# Altium PCB Graviton_11JAN15.PcbDoc (part 3 of 11)
Units mil, origin at the board's own origin, x right, y up, seen from the top; angles counter-clockwise.
Board outline 7874.02 x 7874.02 mil, 10 copper layers (Top Layer, Internal Plane 2, Signal Layer 2, Internal Plane 3, Signal Layer 4, Signal Layer 5, Internal Plane 4, Signal Layer 7, Internal Plane 1, Bottom Layer), stack 78.455 mil thick; 1275 components, 1501 nets, 7937 pads, 1712 vias.
Unrouted connection lines stored in the file: 273.
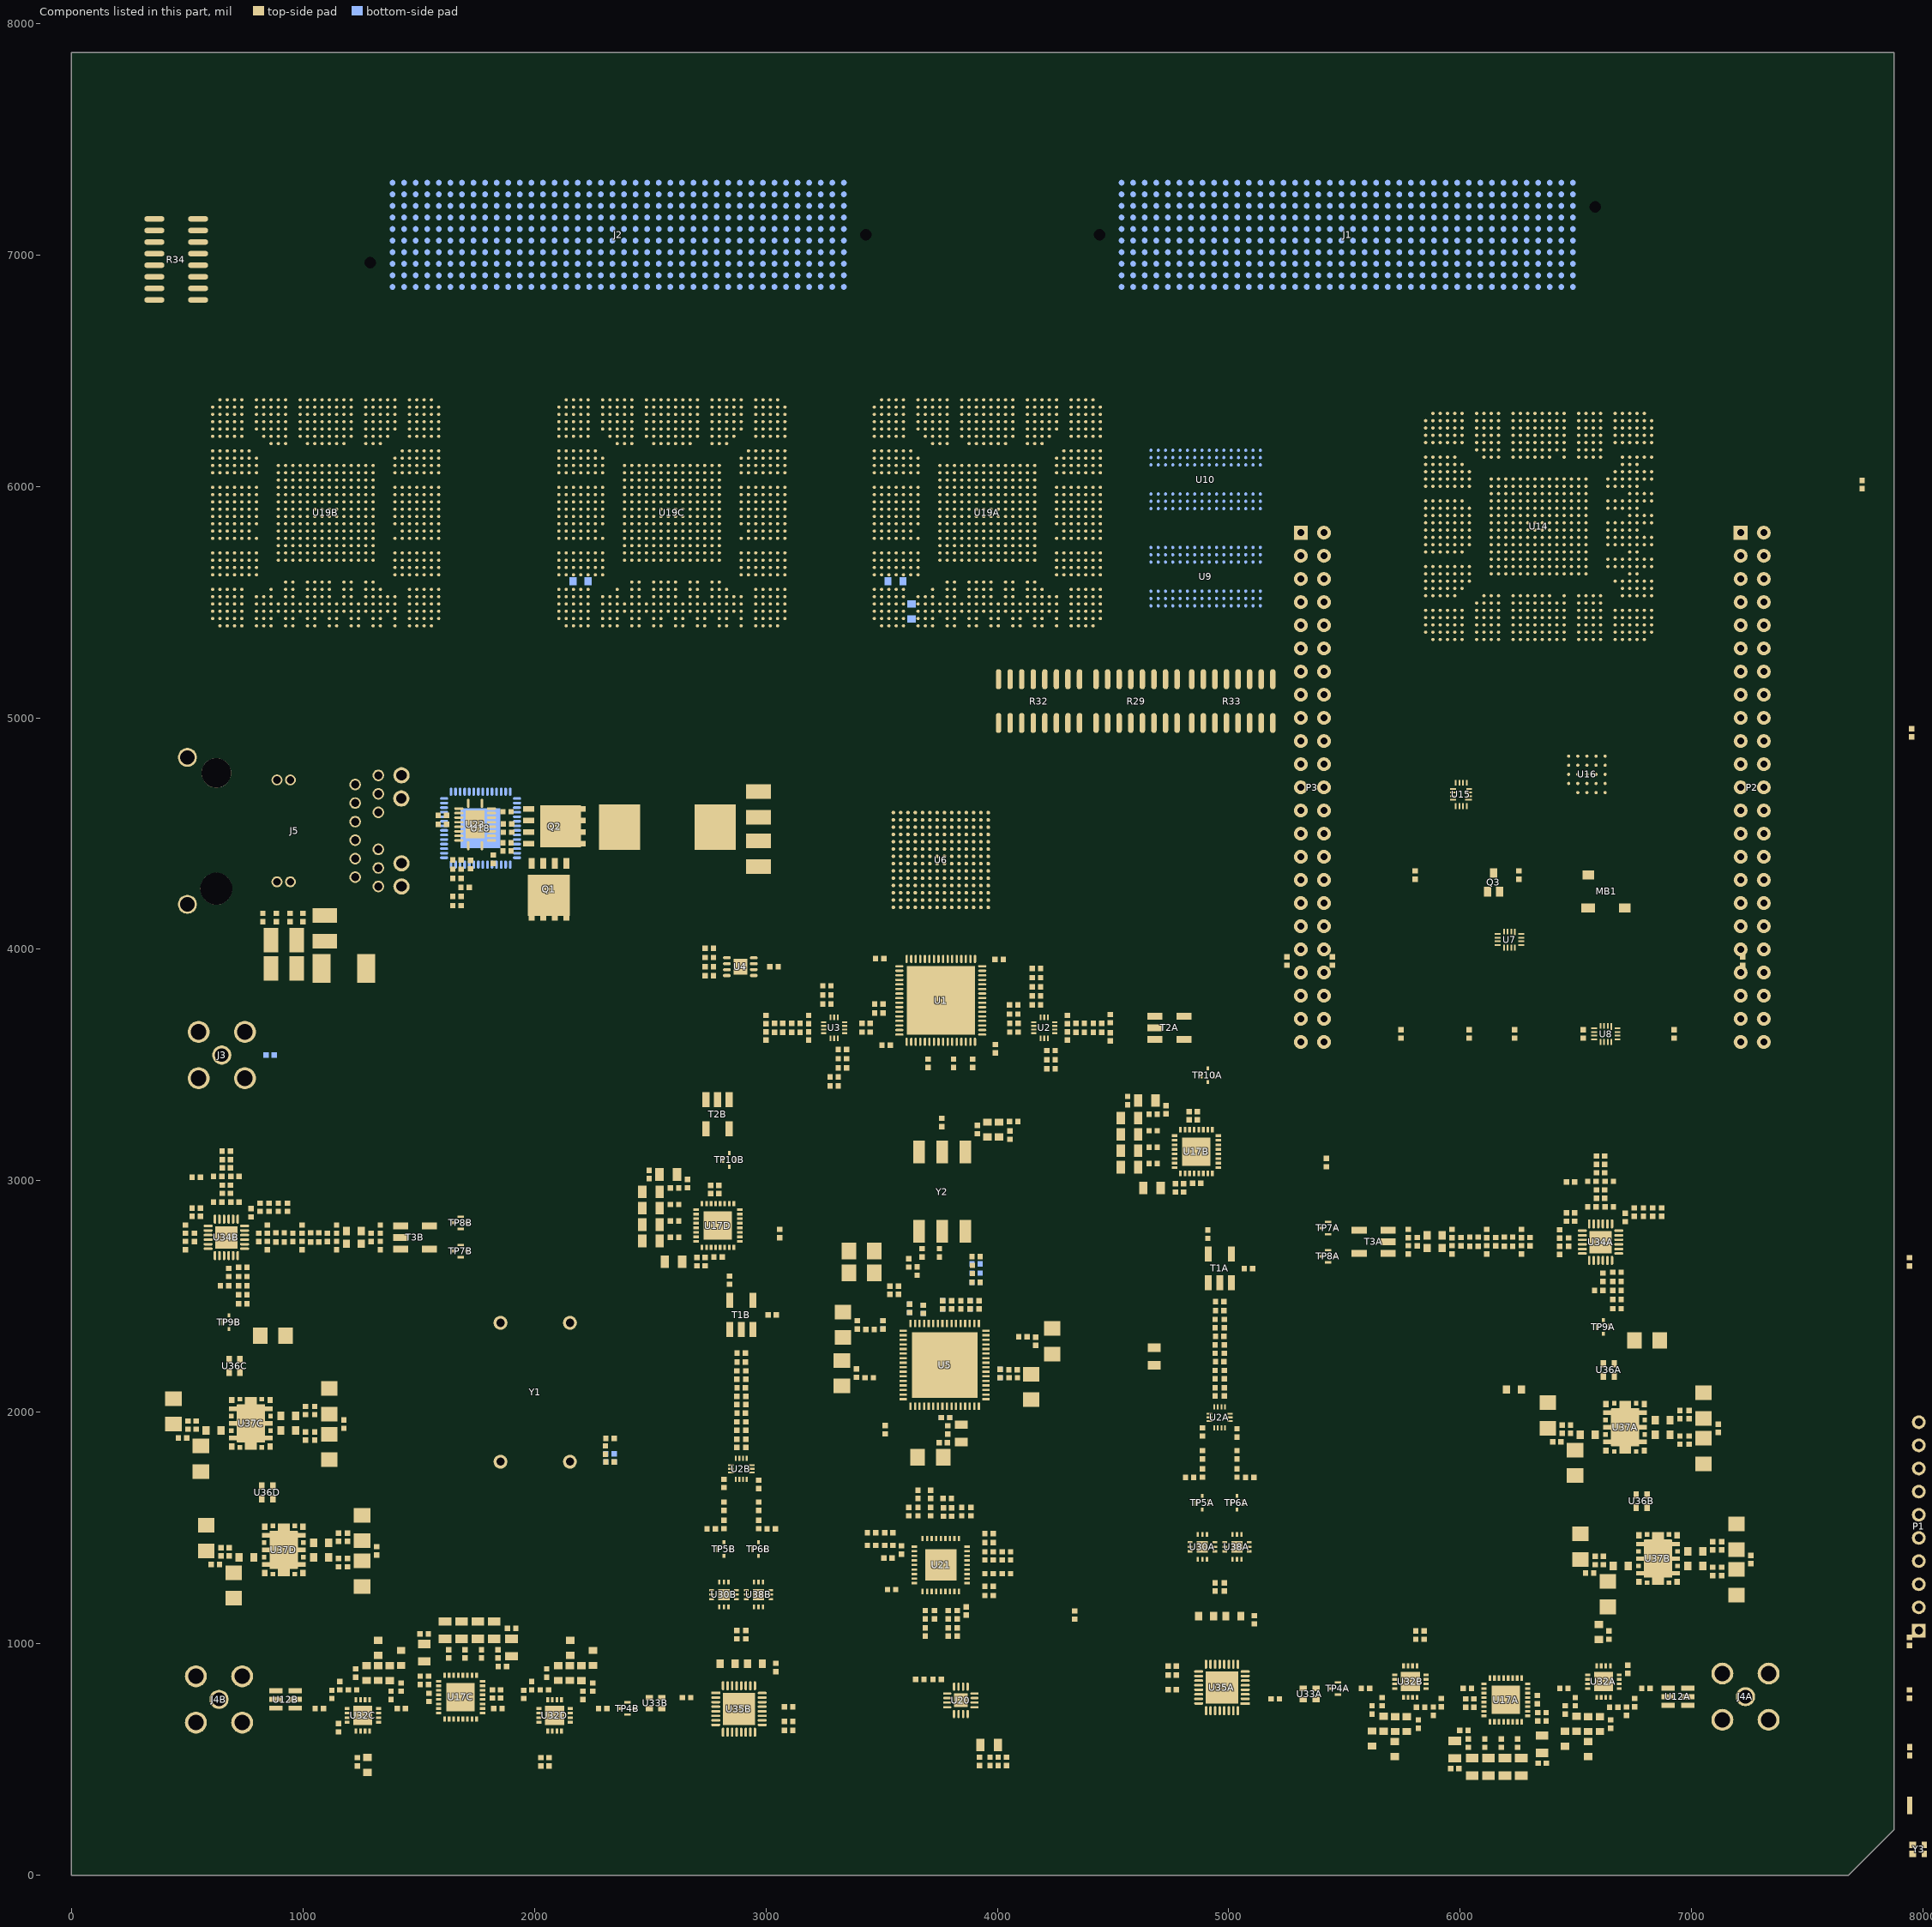
[diagram p10: the components of this part, seen from the top]

## Components (designator, comment, footprint, x,y, rotation, side; value= is the part's Value field where it differs from the comment) (continued)
C408A "CAP 0402" 0402 6677.17,2447.83 r0 top (schematic designator C408)
C408B "CAP 0402" 0402 740.16,2468.5 r0 top (schematic designator C408)
C409A "CAP 0402" 1206 6807.09,2310.04 r180 top (schematic designator C409)
C409B "CAP 0402" 1206 870.08,2330.71 r180 top (schematic designator C409)
C410A "CAP 0402" 0402 6301.18,2737.2 r90 top (schematic designator C410)
C410B "CAP 0402" 0402 809.06,2755.91 r270 top (schematic designator C410)
C411A "CAP 0402" 0402 5775.59,2701.77 r90 top (schematic designator C411)
C411B "CAP 0402" 0402 1334.65,2791.34 r270 top (schematic designator C411)
C412A "CAP 0402" 0402 5964.57,2701.77 r90 top (schematic designator C412)
C412B "CAP 0402" 0402 1145.67,2791.34 r270 top (schematic designator C412)
C413A "CAP 0402" 0402 6114.17,2701.77 r90 top (schematic designator C413)
C413B "CAP 0402" 0402 996.06,2791.34 r270 top (schematic designator C413)
C414A "CAP 0402" 0402 6712.6,2841.54 r270 top (schematic designator C414)
C414B "CAP 0402" 0402 775.59,2862.2 r270 top (schematic designator C414)
C415A "CAP 0402" 0402 6751.97,2865.16 r270 top (schematic designator C415)
C415B "CAP 0402" 0402 814.96,2885.83 r270 top (schematic designator C415)
C416A "CAP 0402" 0402 6791.34,2865.16 r270 top (schematic designator C416)
C416B "CAP 0402" 0402 854.33,2885.83 r270 top (schematic designator C416)
C417A "CAP 0402" 0402 6870.08,2865.16 r90 top (schematic designator C417)
C417B "CAP 0402" 0402 933.07,2885.83 r90 top (schematic designator C417)
C418A "CAP 0402" 0402 6624.02,3053.15 r90 top (schematic designator C418)
C418B "CAP 0402" 0402 687.01,3073.82 r90 top (schematic designator C418)
C419A "CAP 0402" 0402 6643.7,2998.03 r180 top (schematic designator C419)
C419B "CAP 0402" 0402 706.69,3018.7 r180 top (schematic designator C419)
C420A "CAP 0402" 0402 6643.7,2887.8 r180 top (schematic designator C420)
C420B "CAP 0402" 0402 706.69,2908.46 r180 top (schematic designator C420)
C421A "CAP 0402" 0402 6616.14,2583.66 r270 top (schematic designator C421)
C421B "CAP 0402" 0402 679.13,2604.33 r270 top (schematic designator C421)
C422A "CAP 0402" 0402 6598.43,2526.57 r0 top (schematic designator C422)
C422B "CAP 0402" 0402 661.42,2547.24 r0 top (schematic designator C422)
C423A "CAP 0402" 0402 6588.58,3053.15 r90 top (schematic designator C423)
C423B "CAP 0402" 0402 651.57,3073.82 r90 top (schematic designator C423)
C424A "CAP 0402" 0402 6568.9,2998.03 r0 top (schematic designator C424)
C424B "CAP 0402" 0402 631.89,3018.7 r0 top (schematic designator C424)
C425A "CAP 0402" 0402 6568.9,2887.8 r0 top (schematic designator C425)
C425B "CAP 0402" 0402 631.89,2908.46 r0 top (schematic designator C425)
C426A "CAP 0402" 0402 6468.5,2735.24 r270 top (schematic designator C426)
C426B "CAP 0402" 0402 531.5,2755.91 r270 top (schematic designator C426)
C427A "CAP 0402" 0402 4755.91,864.57 r0 top (schematic designator C427)
C427B "CAP 0402" 0402 3098.43,665.35 r180 top (schematic designator C427)
C428A "CAP 0402" 0402 4755.91,801.57 r180 top (schematic designator C428)
C428B "CAP 0402" 0402 3098.43,728.35 r0 top (schematic designator C428)
C429A "CAP 0402" 0402 5110.24,1103.94 r90 top (schematic designator C429)
C429B "CAP 0402" 0402 3043.31,897.64 r90 top (schematic designator C429)
C430A "CAP 0402" 0402 5200.79,762.2 r180 top (schematic designator C430)
C430B "CAP 0402" 0402 2657.48,767.72 r0 top (schematic designator C430)
C431A "CAP 0402" 0402 4960.63,2438.78 r180 top (schematic designator C431)
C431B "CAP 0402" 0402 2893.7,2216.54 r180 top (schematic designator C431)
C432A "CAP 0402" 0402 4960.63,2328.54 r180 top (schematic designator C432)
C432B "CAP 0402" 0402 2893.7,2106.3 r180 top (schematic designator C432)
C433A "CAP 0402" 0402 4960.63,2218.31 r180 top (schematic designator C433)
C433B "CAP 0402" 0402 2893.7,1996.06 r180 top (schematic designator C433)
C434A "CAP 0402" 0402 14562.99,4426.77 r0 top (schematic designator C434)
C434B "CAP 0402" 0402 11976.38,3787.4 r0 top (schematic designator C434)
C435A "CAP 0402" 0402 14185.04,3788.98 r0 top (schematic designator C435)
C435B "CAP 0402" 0402 11598.42,3149.61 r0 top (schematic designator C435)
C436A "CAP 0402" 0402 13807.09,4403.15 r0 top (schematic designator C436)
C436B "CAP 0402" 0402 11220.47,3763.78 r0 top (schematic designator C436)
C437A "CAP 0402" 0402 14456.69,4052.76 r0 top (schematic designator C437)
C437B "CAP 0402" 0402 11870.08,3413.39 r0 top (schematic designator C437)
C438A "CAP 0402" 0402 14602.36,3859.84 r0 top (schematic designator C438)
C438B "CAP 0402" 0402 12015.75,3220.47 r0 top (schematic designator C438)
C439A "CAP 0402" 0402 13704.72,4151.18 r0 top (schematic designator C439)
C439B "CAP 0402" 0402 11118.11,3511.81 r0 top (schematic designator C439)
C440A "CAP 0402" 0402 14188.98,3907.09 r0 top (schematic designator C440)
C440B "CAP 0402" 0402 11602.36,3267.72 r0 top (schematic designator C440)
C441A "CAP 0402" 0402 14787.4,3777.17 r0 top (schematic designator C441)
C441B "CAP 0402" 0402 12200.79,3137.8 r0 top (schematic designator C441)
C442A "CAP 0402" 0402 14854.33,3942.52 r0 top (schematic designator C442)
C442B "CAP 0402" 0402 12267.72,3303.15 r0 top (schematic designator C442)
C443A "CAP 0402" 1206 7051.18,2029.53 r270 top (schematic designator C443)
C443B "CAP 0402" 1206 7192.91,1462.6 r270 top (schematic designator C443)
C443C "CAP 0402" 1206 1114.17,2047.24 r270 top (schematic designator C443)
C443D "CAP 0402" 1206 1255.91,1500 r270 top (schematic designator C443)
C444A "CAP 0402" 1206 7051.18,1832.68 r90 top (schematic designator C444)
C444B "CAP 0402" 1206 7192.91,1265.75 r90 top (schematic designator C444)
C444C "CAP 0402" 1206 1114.17,1850.39 r90 top (schematic designator C444)
C444D "CAP 0402" 1206 1255.91,1303.15 r90 top (schematic designator C444)
C445A "100nF" 0402 6988.19,1879.92 r90 top (schematic designator C445)
C445B "100nF" 0402 7129.92,1312.99 r90 top (schematic designator C445)
C445C "100nF" 0402 1051.18,1897.64 r90 top (schematic designator C445)
C445D "100nF" 0402 1192.91,1350.39 r90 top (schematic designator C445)
C446A "CAP 0402" 0402 6948.82,1879.92 r90 top (schematic designator C446)
C446B "CAP 0402" 0402 7090.55,1312.99 r90 top (schematic designator C446)
C446C "CAP 0402" 0402 1011.81,1897.64 r90 top (schematic designator C446)
C446D "CAP 0402" 0402 1153.54,1350.39 r90 top (schematic designator C446)
C447A "CAP 0402" 0402 6476.38,1927.17 r270 top (schematic designator C447)
C447B "CAP 0402" 0402 6618.11,1360.24 r270 top (schematic designator C447)
C447C "CAP 0402" 0402 539.37,1944.88 r270 top (schematic designator C447)
C447D "CAP 0402" 0402 681.1,1397.64 r270 top (schematic designator C447)
C448A "100nF" 0402 6440.94,1927.17 r270 top (schematic designator C448)
C448B "100nF" 0402 6582.68,1360.24 r270 top (schematic designator C448)
C448C "100nF" 0402 503.94,1944.88 r270 top (schematic designator C448)
C448D "100nF" 0402 645.67,1397.64 r270 top (schematic designator C448)
C449A "CAP 0402" 1206 6496.06,1781.5 r90 top (schematic designator C449)
C449B "CAP 0402" 1206 6637.8,1214.57 r90 top (schematic designator C449)
C449C "CAP 0402" 1206 559.06,1799.21 r90 top (schematic designator C449)
C449D "CAP 0402" 1206 700.79,1251.97 r90 top (schematic designator C449)
C450A "CAP 0402" 1206 6377.95,1986.22 r270 top (schematic designator C450)
C450B "CAP 0402" 1206 6519.68,1419.29 r270 top (schematic designator C450)
C450C "CAP 0402" 1206 440.94,2003.94 r270 top (schematic designator C450)
C450D "CAP 0402" 1206 582.68,1456.69 r270 top (schematic designator C450)
C451A "CAP 0402" 0402 6948.82,1990.16 r270 top (schematic designator C451)
C451B "CAP 0402" 0402 7090.55,1423.23 r270 top (schematic designator C451)
C451C "CAP 0402" 0402 1011.81,2007.87 r270 top (schematic designator C451)
C451D "CAP 0402" 0402 1153.54,1460.63 r270 top (schematic designator C451)
C452A "100nF" 0402 6988.19,1990.16 r270 top (schematic designator C452)
C452B "100nF" 0402 7129.92,1423.23 r270 top (schematic designator C452)
C452C "100nF" 0402 1051.18,2007.87 r270 top (schematic designator C452)
C452D "100nF" 0402 1192.91,1460.63 r270 top (schematic designator C452)
F1 "1.25A" 451_453 1177.17,3917.32 r0 top
F2 "1.25A" 451_453 10607.05,203.05 r90 top
F3 "1.25A" 451_453 10173.98,203.05 r90 top
F4 "1.25A" 451_453 9772.41,203.05 r90 top
F5 "1.25A" 451_453 9973.2,203.05 r90 top
F6 "1.25A" 451_453 8763.78,389.76 r90 top
F7 "1.25A" 451_453 8563.75,203.05 r90 top
FB1 "600R/100MHz" 0805 9622.83,4935.34 r0 top
FB4A "600R/100MHz" 0805 6353.35,565.94 r270 top (schematic designator FB4)
FB4B "600R/100MHz" 0805 4668.31,2969.49 r180 top (schematic designator FB4)
FB4C "600R/100MHz" 0805 1524.61,961.61 r90 top (schematic designator FB4)
FB4D "600R/100MHz" 0805 2600.98,2650.59 r180 top (schematic designator FB4)
FB5A "600R/100MHz" 0805 5976.38,543.31 r270 top (schematic designator FB5)
FB5B "600R/100MHz" 0805 4645.67,3346.46 r180 top (schematic designator FB5)
FB5C "600R/100MHz" 0805 1901.57,984.25 r90 top (schematic designator FB5)
FB5D "600R/100MHz" 0805 2578.35,3027.56 r180 top (schematic designator FB5)
FB6A "600R/100MHz" 0805 6051.18,468.5 r270 top (schematic designator FB6)
FB6B "600R/100MHz" 0805 4570.87,3271.65 r180 top (schematic designator FB6)
FB6C "600R/100MHz" 0805 1826.77,1059.05 r90 top (schematic designator FB6)
FB6D "600R/100MHz" 0805 2503.54,2952.76 r180 top (schematic designator FB6)
FB7A "600R/100MHz" 0805 6122.05,468.5 r270 top (schematic designator FB7)
FB7B "600R/100MHz" 0805 4570.87,3200.79 r180 top (schematic designator FB7)
FB7C "600R/100MHz" 0805 1755.91,1059.05 r90 top (schematic designator FB7)
FB7D "600R/100MHz" 0805 2503.54,2881.89 r180 top (schematic designator FB7)
FB8A "600R/100MHz" 0805 6192.91,468.5 r270 top (schematic designator FB8)
FB8B "600R/100MHz" 0805 4570.87,3129.92 r180 top (schematic designator FB8)
FB8C "600R/100MHz" 0805 1685.04,1059.05 r90 top (schematic designator FB8)
FB8D "600R/100MHz" 0805 2503.54,2811.02 r180 top (schematic designator FB8)
FB9A "600R/100MHz" 0805 6263.78,468.5 r270 top (schematic designator FB9)
FB9B "600R/100MHz" 0805 4570.87,3059.06 r180 top (schematic designator FB9)
FB9C "600R/100MHz" 0805 1614.17,1059.05 r90 top (schematic designator FB9)
FB9D "600R/100MHz" 0805 2503.54,2740.16 r180 top (schematic designator FB9)
FB10 "600R/100MHz" 0805 3964.76,563.19 r180 top
FB11A "600R/100MHz" 0805 4678.15,2241.14 r90 top (schematic designator FB11)
FB11B "600R/100MHz" 0805 1850.39,-1181.1 r90 top (schematic designator FB11)
FB12A "600R/100MHz" 0805 -2518.7,-2072.83 r180 top (schematic designator FB12)
FB12B "600R/100MHz" 0805 -3353.35,-2072.83 r180 top (schematic designator FB12)
FB12C "600R/100MHz" 0805 10396.65,3864.17 r0 top (schematic designator FB12)
FB12D "600R/100MHz" 0805 11225.39,3864.17 r0 top (schematic designator FB12)
J1 "SEAF-40-06.5-S-10-2-A-K-TR" SEAF-40-06.5-S-10-2-A-K-TR 5511.81,7086.61 r0 bottom locked
J2 "SEAF-40-06.5-S-10-2-A-K-TR" SEAF-40-06.5-S-10-2-A-K-TR 2362.2,7086.61 r180 bottom locked
J3 "COAX-F" 132136 649.61,3543.31 r0 top
J4A "COAX-F" 132136 7232.28,771.65 r180 top (schematic designator J4)
J4B "COAX-F" 132136 637.8,759.84 r0 top (schematic designator J4)
J5 "0826-1X1T-GH-F" 0826 625.98,4511.81 r90 top
L1 "IND 0402" 0402 8397.64,6307.28 r90 top
L2 "IND 0402" 0402 4169.29,3877.95 r0 top
L3 "IND 0402" 0402 2755.91,3964.57 r0 top
L4 "IND 0402" 0402 3892.52,2617.32 r270 top
L5 "IND 0402" 0402 2307.09,1836.81 r270 top
L6 "IND 0402" 0402 4067.91,2184.06 r180 top
L7 "IND 0402" 0402 4110.43,2326.77 r0 top
L8 "IND 0402" 0402 3572.83,2527.56 r270 top
L9 "IND 0402" 0402 3653.54,2610.24 r270 top
L10 "IND 0402" 0402 3450.59,2358.27 r0 top
L11 "IND 0402" 0402 3446.65,2149.61 r0 top
L12 "IND 0402" 0402 3786.42,1924.02 r90 top
L13 "IND 0402" 0402 -911.12,3763 r0 top
L14 "IND 0402" 0402 -989.86,3999.22 r0 top
L15 "IND 0402" 0402 -1045.08,4015.75 r0 top
L16 "IND 0402" 0402 -1107.97,4471.66 r0 top
L17 "IND 0402" 0402 9622.83,1588.88 r90 top
L18 "IND 0402" 0402 11591.33,2474.71 r90 top
L19 "IND 0402" 0402 5675.39,10458.96 r0 top
L20A "IND 0402" 0402 11492.91,19305.42 r90 top (schematic designator L20)
L20B "IND 0402" 0402 11591.33,23340.85 r90 top (schematic designator L20)
L20C "IND 0402" 0402 11591.33,24718.8 r90 top (schematic designator L20)
L21A "IND 0402" 0402 10311.8,19600.69 r90 top (schematic designator L21)
L21B "IND 0402" 0402 10410.23,25014.08 r90 top (schematic designator L21)
L21C "IND 0402" 0402 10410.23,25407.78 r90 top (schematic designator L21)
L22A "IND 0402" 0402 11099.21,19994.39 r90 top (schematic designator L22)
L22B "IND 0402" 0402 11296.06,25703.06 r90 top (schematic designator L22)
L22C "IND 0402" 0402 11296.06,26096.76 r90 top (schematic designator L22)
L23A "IND 0402" 0402 11099.21,20289.67 r90 top (schematic designator L23)
L23B "IND 0402" 0402 11296.06,26392.03 r90 top (schematic designator L23)
L23C "IND 0402" 0402 11296.06,26785.73 r90 top (schematic designator L23)
L24A "IND 0402" 0402 9524.4,20683.37 r90 top (schematic designator L24)
L24B "IND 0402" 0402 9622.83,27081.01 r90 top (schematic designator L24)
L24C "IND 0402" 0402 9622.83,27474.71 r90 top (schematic designator L24)
L25A "IND 0402" 0402 11099.21,20978.65 r90 top (schematic designator L25)
L25B "IND 0402" 0402 11296.06,27769.99 r90 top (schematic designator L25)
L25C "IND 0402" 0402 11296.06,28163.69 r90 top (schematic designator L25)
L26A "IND 0402" 0402 11099.21,21372.35 r90 top (schematic designator L26)
L26B "IND 0402" 0402 11296.06,28458.96 r90 top (schematic designator L26)
L26C "IND 0402" 0402 11296.06,28852.66 r90 top (schematic designator L26)
L27A "IND 0402" 0402 13855.11,21667.62 r90 top (schematic designator L27)
L27B "IND 0402" 0402 14150.39,29147.94 r90 top (schematic designator L27)
L27C "IND 0402" 0402 14150.39,29541.64 r90 top (schematic designator L27)
L28A "IND 0402" 0402 20275.59,24425.98 r90 top (schematic designator L28)
L28B "IND 0402" 0402 14937.79,29836.91 r90 top (schematic designator L28)
L28C "IND 0402" 0402 14937.79,30230.62 r90 top (schematic designator L28)
L29 "IND 0402" 0402 3456.69,1480.32 r180 top
L30 "IND 0402" 0402 3456.69,1425.2 r180 top
L31 "IND 0402" 0402 3657.48,1645.67 r90 top
L32 "IND 0402" 0402 3964.57,1476.38 r0 top
L33 "IND 0402" 0402 4039.37,1303.15 r0 top
L34 "IND 0402" 0402 3885.83,1570.87 r90 top
L35 "IND 0402" 0402 3964.57,1208.66 r0 top
L36 "IND 0402" 0402 3712.6,1645.67 r90 top
L37 "IND 0402" 0402 3787.4,1051.18 r270 top
L38 "ASPI-0310FS-1R0N-T2" ASPI-0310FS 4900,10900 r0 top
L39 "" IND-1350 2574.8,4527.56 r0 top
L40 "Inductor" SRR1260 9405.51,716.54 r0 top
L41 "ASPI-0310FS-1R0N-T2" ASPI-0310FS 4628.34,10740.85 r0 top
L42 "ASPI-0310FS-1R0N-T2" ASPI-0310FS 4900,11200 r0 top
L43 "ASPI-0310FS-1R0N-T2" ASPI-0310FS 4608.65,10977.07 r0 top
L44 "ASPI-0310FS-1R0N-T2" ASPI-0310FS 4411.8,10977.07 r0 top
L45 "IND 0402" 0402 8170.59,97.86 r90 top
L46A "IND 68NH 0402" 0402 6752.95,746.06 r90 top (schematic designator L46)
L46B "IND 68NH 0402" 0402 5918.31,746.06 r90 top (schematic designator L46)
L46C "IND 68NH 0402" 0402 1125,781.5 r270 top (schematic designator L46)
L46D "IND 68NH 0402" 0402 1953.74,781.5 r270 top (schematic designator L46)
L47A "IND 68NH 0402" 0402 6497.05,750 r90 top (schematic designator L47)
L47B "IND 68NH 0402" 0402 5662.4,750 r90 top (schematic designator L47)
L47C "IND 68NH 0402" 0402 1380.91,777.56 r270 top (schematic designator L47)
L47D "IND 68NH 0402" 0402 2209.65,777.56 r270 top (schematic designator L47)
L48A "IND 0402" 0402 6677.17,2487.2 r180 top (schematic designator L48)
L48B "IND 0402" 0402 740.16,2507.87 r180 top (schematic designator L48)
L49A "IND 0603" 0603 5889.76,2764.76 r0 top (schematic designator L49)
L49B "IND 0603" 0603 1220.47,2728.35 r180 top (schematic designator L49)
L50A "IND 0603" 0603 5889.76,2709.65 r0 top (schematic designator L50)
L50B "IND 0603" 0603 1220.47,2783.46 r180 top (schematic designator L50)
L51A "IND 0402" 0402 6830.71,2865.16 r270 top (schematic designator L51)
L51B "IND 0402" 0402 893.7,2885.83 r270 top (schematic designator L51)
L52A "IND 0603" 0603 4901.57,1119.69 r180 top (schematic designator L52)
L52B "IND 0603" 0603 2834.65,913.39 r180 top (schematic designator L52)
L53A "IND 0603" 0603 5019.69,1119.69 r0 top (schematic designator L53)
L53B "IND 0603" 0603 2952.76,913.39 r0 top (schematic designator L53)
L54A "IND 0402" 0402 4940.94,2383.66 r270 top (schematic designator L54)
L54B "IND 0402" 0402 2874.02,2161.42 r270 top (schematic designator L54)
L55A "IND 0402" 0402 4940.94,2273.43 r270 top (schematic designator L55)
L55B "IND 0402" 0402 2874.02,2051.18 r270 top (schematic designator L55)
L56A "IND 0402" 0402 4980.32,2383.66 r270 top (schematic designator L56)
L56B "IND 0402" 0402 2913.39,2161.42 r270 top (schematic designator L56)
L57A "IND 0402" 0402 4980.32,2273.43 r270 top (schematic designator L57)
L57B "IND 0402" 0402 2913.39,2051.18 r270 top (schematic designator L57)
L58A "IND 0402" 0402 13838.58,3836.22 r0 top (schematic designator L58)
L58B "IND 0402" 0402 11251.97,3196.85 r0 top (schematic designator L58)
L59A "IND 0402" 0402 13893.7,4068.5 r0 top (schematic designator L59)
L59B "IND 0402" 0402 11307.09,3429.13 r0 top (schematic designator L59)
L60A "IND 0402" 0402 7114.17,1931.1 r90 top (schematic designator L60)
L60B "IND 0402" 0402 7255.91,1364.17 r90 top (schematic designator L60)
L60C "IND 0402" 0402 1177.17,1948.82 r90 top (schematic designator L60)
L60D "IND 0402" 0402 1318.9,1401.57 r90 top (schematic designator L60)
L61A "IND 0402" 0402 6417.32,1872.05 r0 top (schematic designator L61)
L61B "IND 0402" 0402 6559.06,1305.12 r0 top (schematic designator L61)
L61C "IND 0402" 0402 480.32,1889.76 r0 top (schematic designator L61)
L61D "IND 0402" 0402 622.05,1342.52 r0 top (schematic designator L61)
L62 "IND 0402" 0402 3295.28,3448.82 r0 top
MB1 "CSS-0578" CSS-0578 6631.86,4250.1 r0 top
P1 "Header 10" HDR1X10 7981.07,1057.38 r90 top
P2 "FEMALE HEADER 2x23" HEADER23X2 7261.22,4699.8 r270 top locked
P3 "FEMALE HEADER 2x23" HEADER23X2 5361.22,4699.8 r270 top
Q1 "MOSFET" TDSON-8 2062.99,4259.84 r180 top
Q2 "MOSFET" TDSON-8 2086.61,4531.5 r270 top
Q3 "2N3904" SOT323 6143.67,4289.47 r0 top
R1 "RES 0402" 0402 4303.15,3625.98 r90 top
R2 "RES 0402" 0402 4071.85,3680.12 r0 top
R3 "RES 0402" 0402 4358.27,3641.73 r0 top
R4 "RES 0402" 0402 4071.85,3642.72 r0 top
R5 "RES 0402" 0402 4358.27,3681.1 r0 top
R6 "RES 0402" 0402 4303.15,3696.85 r90 top
R7 "RES 0402" 0402 3185.04,3696.85 r270 top
R8 "RES 0402" 0402 3433.07,3680.12 r180 top
R9 "RES 0402" 0402 3129.92,3681.1 r180 top
R10 "RES 0402" 0402 3433.07,3642.72 r180 top
R11 "RES 0402" 0402 3129.92,3641.73 r180 top
R12 "RES 0402" 0402 3185.04,3625.98 r270 top
R13 "RES 0603" 0603 3956.69,3221.26 r270 top
R14 "RES 0603" 0603 4007.87,3221.26 r90 top
R15 "RES 0402" 0402 -1107.97,4274.81 r0 top
R16 "RES 0402" 0402 -1107.97,4077.96 r0 top
R17 "RES 0402" 0402 -1107.97,3881.11 r0 top
R18 "RES 0402" 0402 -1084.45,4153.54 r0 top
R19 "RES 0402" 0402 -1107.97,3782.68 r0 top
R20 "RES 0402" 0402 -1147.34,4215.76 r0 top
R21 "RES 0402" 0402 -1147.34,3920.48 r0 top
R22 "RES 0402" 0402 -1147.34,3723.63 r0 top
R23 "RES 0402" 0402 8244.87,17238.49 r90 top
R24 "RES 0402" 0402 7949.6,17238.49 r90 top
R25 "RES 0402" 0402 5251.19,3949.7 r270 top
R26 "RES 0402" 0402 5448.04,3949.7 r270 top
R27 "RES 0402" 0402 6924.42,3634.74 r270 top
R28 "RES 0402" 0402 7219.69,3949.7 r270 top
R29 "Res Pack3" SO-16_N 4601.61,5072.32 r270 top
R30 "RES 0402" 0402 8220.79,782.94 r90 top
R31 "1.5K, 1%" 0402 8402.33,537.69 r90 top
R32 "Res Pack3" SO-16_N 4180.35,5072.32 r270 top
R33 "Res Pack3" SO-16_N 5015,5072.32 r270 top
R34 "Res Pack3" SO-16_N 452.76,6980.32 r0 top
R35 "240, 1%" 0402 8173.99,537.69 r90 top
R36 "RES 0805" 0805 10437.01,9273.82 r90 top
R37 "RES 0805" 0805 10633.86,9273.82 r90 top
R38 "240, 1%" 0402 7941.7,537.69 r90 top
R39 "RES 0402" 0402 7949.6,4935.34 r90 top
R40 "RES 0603 4.7k 1%" 0603 14051.96,2081.01 r90 top
R41 "RES 0603 4.7k 1%" 0603 14248.81,2081.01 r90 top
R42 "RES 0603 4.7k 1%" 0603 14445.66,2081.01 r90 top
R43 "RES 0603 49.9 1%" 0603 12969.28,2081.01 r90 top
R44 "RES 0603 4.7k 1%" 0603 12280.31,2081.01 r90 top
R45 "RES 0603 4.7k 1%" 0603 12477.16,2081.01 r90 top
R46 "RES 0603 4.7k 1%" 0603 12674.01,2081.01 r90 top
R47 "RES 0603 4.7k 1%" 0603 11788.18,2081.01 r90 top
R48 "RES 0603 4.7k 1%" 0603 11985.03,2081.01 r90 top
R49 "RES 0603 0" 0603 11591.33,2081.01 r90 top
R50 "RES 0603 4.7k 1%" 0603 11296.06,2081.01 r90 top
R51 "RES 0603 0" 0603 10902.35,2081.01 r90 top
R52 "RES 0603 0" 0603 11099.21,2081.01 r90 top
R53 "RES 0603 1k 1%" 0603 9721.25,2081.01 r90 top
R54 "RES 0603 4.7k 1%" 0603 9918.1,2081.01 r90 top
R55 "RES 0603 4.7k 1%" 0603 10213.38,2081.01 r90 top
R56 "RES 0603 4.7k 1%" 0603 10410.23,2081.01 r90 top
R57 "RES 0603 4.7k 1%" 0603 10607.08,2081.01 r90 top
R58A "RES 0402" 0402 6333.66,758.86 r270 top (schematic designator R58)
R58B "RES 0402" 0402 4861.22,2989.17 r180 top (schematic designator R58)
R58C "RES 0402" 0402 1544.29,768.7 r90 top (schematic designator R58)
R58D "RES 0402" 0402 2793.9,2670.28 r180 top (schematic designator R58)
R59A "RES 0402" 0402 6015.75,625.98 r0 top (schematic designator R59)
R59B "RES 0402" 0402 4728.35,3307.09 r270 top (schematic designator R59)
R59C "RES 0402" 0402 1862.2,901.57 r180 top (schematic designator R59)
R59D "RES 0402" 0402 2661.02,2988.19 r270 top (schematic designator R59)
R60 "RES 0402" 0402 6204.72,10458.96 r0 top
R61 "RES 0402" 0402 6204.72,10262.11 r0 top
R62 "RES 0402" 0402 6401.57,10655.81 r0 top
R63 "RES 0402" 0402 6401.57,11344.79 r0 top
R64 "RES 0402" 0402 6204.72,10754.24 r0 top
R65 "RES 0402" 0402 6204.72,10951.09 r0 top
R66 "RES 0402" 0402 6106.3,11935.34 r0 top
R67A "RES 0603 4.7k 1%" 0603 11788.18,21667.62 r90 top (schematic designator R67)
R67B "RES 0603 4.7k 1%" 0603 11985.03,29147.94 r90 top (schematic designator R67)
R67C "RES 0603 4.7k 1%" 0603 11985.03,29541.64 r90 top (schematic designator R67)
R68A "RES 0603 4.7k 1%" 0603 12181.88,21667.62 r90 top (schematic designator R68)
R68B "RES 0603 4.7k 1%" 0603 12378.73,29147.94 r90 top (schematic designator R68)
R68C "RES 0603 4.7k 1%" 0603 12378.73,29541.64 r90 top (schematic designator R68)
R69A "RES 0603 4.7k 1%" 0603 12477.16,21667.62 r90 top (schematic designator R69)
R69B "RES 0603 4.7k 1%" 0603 12772.43,29147.94 r90 top (schematic designator R69)
R69C "RES 0603 4.7k 1%" 0603 12772.43,29541.64 r90 top (schematic designator R69)
R70A "RES 0603 4.7k 1%" 0603 12772.43,21667.62 r90 top (schematic designator R70)
R70B "RES 0603 4.7k 1%" 0603 13067.71,29147.94 r90 top (schematic designator R70)
R70C "RES 0603 4.7k 1%" 0603 13067.71,29541.64 r90 top (schematic designator R70)
R71A "RES 0603 4.7k 1%" 0603 3560,5590 r180 bottom (schematic designator R71)
R71B "RES 0603 4.7k 1%" 0603 3630,5460 r270 bottom (schematic designator R71)
R71C "RES 0603 4.7k 1%" 0603 2200,5590 r180 bottom (schematic designator R71)
R72A "RES 0603 4.7k 1%" 0603 11492.91,21667.62 r90 top (schematic designator R72)
R72B "RES 0603 4.7k 1%" 0603 11689.76,29147.94 r90 top (schematic designator R72)
R72C "RES 0603 4.7k 1%" 0603 11689.76,29541.64 r90 top (schematic designator R72)
R73A "RES 0603 4.7k 1%" 0603 10803.93,21667.62 r90 top (schematic designator R73)
R73B "RES 0603 4.7k 1%" 0603 11000.78,29147.94 r90 top (schematic designator R73)
R73C "RES 0603 4.7k 1%" 0603 11000.78,29541.64 r90 top (schematic designator R73)
R74A "RES 0603 4.7k 1%" 0603 11099.21,21667.62 r90 top (schematic designator R74)
R74B "RES 0603 4.7k 1%" 0603 11296.06,29147.94 r90 top (schematic designator R74)
R74C "RES 0603 4.7k 1%" 0603 11296.06,29541.64 r90 top (schematic designator R74)
R75A "RES 0603 0" 0603 10508.65,21667.62 r90 top (schematic designator R75)
R75B "RES 0603 0" 0603 10607.08,29147.94 r90 top (schematic designator R75)
R75C "RES 0603 0" 0603 10607.08,29541.64 r90 top (schematic designator R75)
R76A "RES 0603 4.7k 1%" 0603 10114.95,21667.62 r90 top (schematic designator R76)
R76B "RES 0603 4.7k 1%" 0603 10311.8,29147.94 r90 top (schematic designator R76)
R76C "RES 0603 4.7k 1%" 0603 10311.8,29541.64 r90 top (schematic designator R76)
R77A "RES 0603 4.7k 1%" 0603 9819.68,21667.62 r90 top (schematic designator R77)
R77B "RES 0603 4.7k 1%" 0603 9918.1,29147.94 r90 top (schematic designator R77)
R77C "RES 0603 4.7k 1%" 0603 9918.1,29541.64 r90 top (schematic designator R77)
R78A "RES 0603 0" 0603 9130.7,21667.62 r90 top (schematic designator R78)
R78B "RES 0603 0" 0603 9229.13,29147.94 r90 top (schematic designator R78)
R78C "RES 0603 0" 0603 9229.13,29541.64 r90 top (schematic designator R78)
R79A "RES 0603 0" 0603 9524.4,21667.62 r90 top (schematic designator R79)
R79B "RES 0603 0" 0603 9622.83,29147.94 r90 top (schematic designator R79)
R79C "RES 0603 0" 0603 9622.83,29541.64 r90 top (schematic designator R79)
R80 "RES 0402" 0402 3665.35,846.46 r180 top
R81 "RES 0402" 0402 3783.46,1628.15 r180 top
R82 "RES 0402" 0402 3688.98,1125.98 r90 top
R83 "RES 0402" 0402 3826.77,1125.98 r90 top
R84 "RES 0402" 0402 3618.11,1570.87 r270 top
R85 "RES 0402" 0402 3964.57,1397.64 r0 top
R86 "RES 0402" 0402 4039.37,1397.64 r0 top
R87 "RES 0805" 0805 20393.7,14645.67 r90 top
R88 "RES 360K 0402" 0402 17637.8,14645.67 r90 top
R89 "RES 0402" 0402 17834.65,14645.67 r90 top
R90 "RES 180k 0402" 0402 16358.27,14645.67 r90 top
R91 "RES 0402" 0402 16555.12,14645.67 r90 top
R92 "RES 0402" 0402 10315.71,309.35 r90 top
R93 "RES 0402" 0402 1866.14,4523.62 r270 top
R94 "RES 0402" 0402 14685.04,14645.67 r90 top
R95 "RES 0402" 0402 1665.35,4188.98 r180 top
R96 "RES 0402" 0402 1665.35,4346.46 r0 top
R97 "RES 0402" 0402 1700.79,4267.72 r180 top
R98 "RES 0402" 0402 13208.66,14645.67 r90 top
R99 "RES 0402" 0402 1665.35,4307.09 r180 top
R100 "RES 0402" 0402 18858.27,15236.22 r90 top
R101 "RES 0402" 0402 18562.99,15236.22 r90 top
R102 "RES 0402" 0402 18267.72,15236.22 r90 top
R103 "RES 0402" 0402 1602.36,4578.74 r180 top
R104 "RES 0402" 0402 1881.89,4460.63 r180 top
R105 "RES 0402" 0402 15413.39,15236.22 r90 top
R106 "RES 0402" 0402 15118.11,15236.22 r90 top
R107 "RES 0402" 0402 14625.98,15236.22 r90 top
R108 "RES 0402" 0402 13740.16,15236.22 r90 top
R109 "10k, 1%" 0402 13248.03,15236.22 r90 top
R110 "10k, 1%" 0402 20252.75,15762.11 r90 top
R111 "RES 1206" 0402 18874.8,15762.11 r90 top
R112 "RES 1206" 0402 19071.65,15762.11 r90 top
R113 "RES 0805" 0805 18579.52,15762.11 r90 top
R114 "RES 360K 0402" 0402 15134.64,15762.11 r90 top
R115 "RES 360K 0402" 0402 15429.91,15762.11 r90 top
R116 "RES 180k 0402" 0402 14347.24,15762.11 r90 top
R117 "RES 180k 0402" 0402 9445.64,309.35 r90 top
R118 "RES 0402" 0402 8902.33,309.35 r90 top
R119 "RES 0402" 0402 9173.98,309.35 r90 top
R120 "RES 1206" 0402 18996.06,16181.1 r90 top
R121 "RES 1206" 0402 18503.94,16181.1 r90 top
R122 "RES 0402" 0402 18208.66,16181.1 r90 top
R123 "RES 360K 0402" 0402 15649.61,16181.1 r90 top
R124 "RES 0402" 0402 14763.78,16181.1 r90 top
R125 "RES 0402" 0402 8221.23,309.35 r90 top
R126 "RES 180k 0402" 0402 14468.5,16181.1 r90 top
R127 "RES 0402" 0402 7941.7,309.35 r90 top
R128A "RES 0603" 0603 6552.17,545.28 r90 top (schematic designator R128)
R128B "RES 0603" 0603 5717.52,545.28 r90 top (schematic designator R128)
R128C "RES 0603" 0603 1325.79,982.28 r270 top (schematic designator R128)
R128D "RES 0603" 0603 2154.53,982.28 r270 top (schematic designator R128)
R129A "RES 0603" 0603 6603.35,653.54 r270 top (schematic designator R129)
R129B "RES 0603" 0603 5768.7,653.54 r270 top (schematic designator R129)
R129C "RES 0603" 0603 1274.61,874.02 r90 top (schematic designator R129)
R129D "RES 0603" 0603 2103.35,874.02 r90 top (schematic designator R129)
R130A "RES 0603" 0603 6502.95,654.53 r270 top (schematic designator R130)
R130B "RES 0603" 0603 5668.31,654.53 r270 top (schematic designator R130)
R130C "RES 0603" 0603 1375,873.03 r90 top (schematic designator R130)
R130D "RES 0603" 0603 2203.74,873.03 r90 top (schematic designator R130)
R131A "RES 0402" 0402 6663.39,726.38 r180 top (schematic designator R131)
R131B "RES 0402" 0402 5828.74,726.38 r180 top (schematic designator R131)
R131C "RES 0402" 0402 1214.57,801.18 r0 top (schematic designator R131)
R131D "RES 0402" 0402 2043.31,801.18 r0 top (schematic designator R131)
R132A "RES 0402" 0402 6059.06,2756.89 r0 top (schematic designator R132)
R132B "RES 0402" 0402 1051.18,2736.22 r180 top (schematic designator R132)
R133A "RES 0402" 0402 6208.66,2756.89 r0 top (schematic designator R133)
R133B "RES 0402" 0402 901.57,2736.22 r180 top (schematic designator R133)
R134A "RES 0402" 0402 6208.66,2717.52 r0 top (schematic designator R134)
R134B "RES 0402" 0402 901.57,2775.59 r180 top (schematic designator R134)
R135A "RES 0402" 0402 6059.06,2717.52 r0 top (schematic designator R135)
R135B "RES 0402" 0402 1051.18,2775.59 r180 top (schematic designator R135)
R136A "RES 0402" 0402 6263.78,2701.77 r270 top (schematic designator R136)
R136B "RES 0402" 0402 846.46,2791.34 r90 top (schematic designator R136)
R137A "RES 0402" 0402 6263.78,2772.64 r270 top (schematic designator R137)
R137B "RES 0402" 0402 846.46,2720.47 r90 top (schematic designator R137)
R138A "RES 0402" 0402 6624.02,2942.91 r270 top (schematic designator R138)
R138B "RES 0402" 0402 687.01,2963.58 r270 top (schematic designator R138)
R139A "RES 0402" 0402 6606.3,3107.28 r0 top (schematic designator R139)
R139B "RES 0402" 0402 669.29,3127.95 r0 top (schematic designator R139)
R140A "RES 0402" 0402 6588.58,2942.91 r270 top (schematic designator R140)
R140B "RES 0402" 0402 651.57,2963.58 r270 top (schematic designator R140)
R141A "RES 0402" 0402 6429.13,2699.8 r90 top (schematic designator R141)
R141B "RES 0402" 0402 492.13,2720.47 r90 top (schematic designator R141)
R142A "RES 0402" 0402 6429.13,2770.67 r90 top (schematic designator R142)
R142B "RES 0402" 0402 492.13,2791.34 r90 top (schematic designator R142)
R143 "RES 0402" 0402 -189.73,2193.6 r180 top
R144A "RES 0402" 0402 4755.91,903.94 r180 top (schematic designator R144)
R144B "RES 0402" 0402 3098.43,625.98 r0 top (schematic designator R144)
R145A "RES 0402" 0402 4940.94,2163.19 r270 top (schematic designator R145)
R145B "RES 0402" 0402 2874.02,1940.94 r270 top (schematic designator R145)
R146A "RES 0402" 0402 4960.63,2478.15 r180 top (schematic designator R146)
R146B "RES 0402" 0402 2893.7,2255.91 r180 top (schematic designator R146)
R147A "RES 0402" 0402 4980.32,2163.19 r270 top (schematic designator R147)
R147B "RES 0402" 0402 2913.39,1940.94 r270 top (schematic designator R147)
R148A "RES 0402" 0402 13992.13,4300.79 r0 top (schematic designator R148)
R148B "RES 0402" 0402 11405.51,3661.42 r0 top (schematic designator R148)
R149A "RES 0402" 0402 14192.91,4466.14 r0 top (schematic designator R149)
R149B "RES 0402" 0402 11606.3,3826.77 r0 top (schematic designator R149)
R150A "RES 0402" 0402 14468.5,4501.57 r0 top (schematic designator R150)
R150B "RES 0402" 0402 11881.89,3862.2 r0 top (schematic designator R150)
R151A "RES 0603" 0603 6874.02,1903.54 r0 top (schematic designator R151)
R151B "RES 0603" 0603 7015.75,1336.61 r0 top (schematic designator R151)
R151C "RES 0603" 0603 937.01,1921.26 r0 top (schematic designator R151)
R151D "RES 0603" 0603 1078.74,1374.02 r0 top (schematic designator R151)
R152A "RES 0603" 0603 6551.18,1903.54 r180 top (schematic designator R152)
R152B "RES 0603" 0603 6692.91,1336.61 r180 top (schematic designator R152)
R152C "RES 0603" 0603 614.17,1921.26 r180 top (schematic designator R152)
R152D "RES 0603" 0603 755.91,1374.02 r180 top (schematic designator R152)
R153A "RES 0603" 0603 6874.02,1966.54 r0 top (schematic designator R153)
R153B "RES 0603" 0603 7015.75,1399.61 r0 top (schematic designator R153)
R153C "RES 0603" 0603 937.01,1984.25 r0 top (schematic designator R153)
R153D "RES 0603" 0603 1078.74,1437.01 r0 top (schematic designator R153)
R154A "RES 0402" 0402 6476.38,2995.08 r180 top (schematic designator R154)
R154B "RES 0402" 0402 539.37,3015.75 r180 top (schematic designator R154)
R155A "RES 0402" 0402 6476.38,2861.22 r0 top (schematic designator R155)
R155B "RES 0402" 0402 539.37,2881.89 r0 top (schematic designator R155)
R156A "RES 0402" 0402 6476.38,2825.79 r180 top (schematic designator R156)
R156B "RES 0402" 0402 539.37,2846.46 r180 top (schematic designator R156)
R157 "RES 0402" 0402 3759.84,3251.97 r90 top
R158 "RES 1206" 0402 944.88,4137.8 r90 top
R159 "RES 1206" 0402 1000,4137.8 r90 top
R160 "RES 1206" 0402 885.83,4137.8 r90 top
R161 "RES 1206" 0402 826.77,4137.8 r90 top
R162 "RES 0402" 0402 6253.91,4320.96 r90 top
R163 "RES 0402" 0402 5805.09,4320.96 r90 top
R164 "RES 0402" 0402 8451.12,782.94 r90 top
R165 "RES 0402" 0402 7940.26,782.94 r90 top
R166A "RES 0402" 0402 4885.83,1915.16 r270 top (schematic designator R166)
R166B "RES 0402" 0402 2818.9,1692.91 r270 top (schematic designator R166)
R167A "RES 0402" 0402 4885.83,1816.73 r270 top (schematic designator R167)
R167B "RES 0402" 0402 2818.9,1594.49 r270 top (schematic designator R167)
R168A "RES 0402" 0402 4940.94,2088.39 r270 top (schematic designator R168)
R168B "RES 0402" 0402 2874.02,1866.14 r270 top (schematic designator R168)
R169A "RES 0402" 0402 5035.43,1816.73 r270 top (schematic designator R169)
R169B "RES 0402" 0402 2968.5,1594.49 r270 top (schematic designator R169)
R170A "RES 0402" 0402 4980.32,2088.39 r270 top (schematic designator R170)
R170B "RES 0402" 0402 2913.39,1866.14 r270 top (schematic designator R170)
R171A "RES 0402" 0402 5035.43,1911.22 r90 top (schematic designator R171)
R171B "RES 0402" 0402 2968.5,1688.98 r90 top (schematic designator R171)
R172A "RES 0402" 0402 6642.72,1037.4 r270 top (schematic designator R172)
R172B "RES 0402" 0402 5808.07,1037.4 r270 top (schematic designator R172)
R172C "RES 0402" 0402 1235.24,490.16 r90 top (schematic designator R172)
R172D "RES 0402" 0402 2063.98,490.16 r90 top (schematic designator R172)
R173A "RES 0402" 0402 6724.41,889.76 r270 top (schematic designator R173)
R173B "RES 0402" 0402 5843.5,1037.4 r270 top (schematic designator R173)
R173C "RES 0402" 0402 1153.54,637.8 r90 top (schematic designator R173)
R173D "RES 0402" 0402 2028.54,490.16 r90 top (schematic designator R173)
R174A "RES 0402" 0402 5090.55,1718.31 r0 top (schematic designator R174)
R174B "RES 0402" 0402 3023.62,1496.06 r0 top (schematic designator R174)
R175A "RES 0402" 0402 4830.71,1718.31 r180 top (schematic designator R175)
R175B "RES 0402" 0402 2763.78,1496.06 r180 top (schematic designator R175)
R176 "RES 0402" 0402 4488.19,3622.05 r270 top
R177 "RES 0402" 0402 4488.19,3700.79 r270 top
R178 "RES 0402" 0402 3000,3696.85 r90 top
R179 "RES 0402" 0402 3000,3625.98 r90 top
R180A "RES 0402" 0402 10212.03,1010.31 r90 top (schematic designator R180)
R180B "RES 0402" 0402 10331.13,2650.15 r90 top (schematic designator R180)
R181A "RES 0402" 0402 9840.95,1010.31 r90 top (schematic designator R181)
R181B "RES 0402" 0402 9941.35,2650.15 r90 top (schematic designator R181)
R182A "RES 0402" 0402 9461.01,1010.31 r90 top (schematic designator R182)
R182B "RES 0402" 0402 9540.74,2650.15 r90 top (schematic designator R182)
R183A "RES 0402" 0402 9081.07,1010.31 r90 top (schematic designator R183)
R183B "RES 0402" 0402 9141.11,2650.15 r90 top (schematic designator R183)
R184A "RES 0402" 0402 8701.13,1010.31 r90 top (schematic designator R184)
R184B "RES 0402" 0402 8740.5,2650.15 r90 top (schematic designator R184)
R185A "RES 0402" 0402 8320.2,1010.31 r90 top (schematic designator R185)
R185B "RES 0402" 0402 8340.87,2650.15 r90 top (schematic designator R185)
R186A "RES 0402" 0402 7940.26,1010.31 r90 top (schematic designator R186)
R186B "RES 0402" 0402 7940.26,2650.15 r90 top (schematic designator R186)
R187A "RES 0402" 0402 5084.65,2620.87 r0 top (schematic designator R187)
R187B "RES 0402" 0402 3027.56,2421.26 r0 top (schematic designator R187)
R188 "RES 0402" 0402 -359.03,2193.6 r180 top
R189 "RES 0402" 0402 -528.32,2193.6 r180 top
R190 "RES 0402" 0402 -697.61,2193.6 r180 top
R191 "RES 0402" 0402 -866.9,2193.6 r180 top
R192 "RES 0402" 0402 -1036.19,2193.6 r180 top
R193 "RES 0402" 0402 -1209.42,2193.6 r180 top
R194 "RES 0402" 0402 -1378.71,2193.6 r180 top
R195_1 "RES 0402" 0402 7941.7,293.6 r90 top (schematic designator R195)
R195_2 "RES 0402" 0402 7941.7,533.76 r90 top (schematic designator R195)
T1A "TC1-1TG2+" AT224-1A 4960.63,2622.05 r180 top (schematic designator T1)
T1B "TC1-1TG2+" AT224-1A 2893.7,2421.26 r180 top (schematic designator T1)
T2A "TC1-1TG2+" AT224-1A 4744.09,3661.42 r90 top (schematic designator T2)
T2B "TC1-1TG2+" AT224-1A 2791.34,3287.4 r0 top (schematic designator T2)
T3A "TC1-1-13M" AT224-1A 5625.98,2737.2 r270 top (schematic designator T3)
T3B "TC1-1-13M" AT224-1A 1484.25,2755.91 r90 top (schematic designator T3)
TP1 "TEST_POINT_SMD_10" TEST_POINT_SMD_10 13362.98,2179.43 r90 top
TP2 "TEST_POINT_SMD_10" TEST_POINT_SMD_10 13559.84,2179.43 r90 top
TP3 "TEST_POINT_SMD_10" TEST_POINT_SMD_10 13166.13,2179.43 r90 top
TP4A "MS-180(20)" MS-180(20) 5471.46,807.09 r180 top (schematic designator TP4)
TP4B "MS-180(20)" MS-180(20) 2401.57,720.47 r0 top (schematic designator TP4)
TP5A "MS-180(20)" MS-180(20) 4885.83,1610.04 r90 top (schematic designator TP5)
TP5B "MS-180(20)" MS-180(20) 2818.9,1409.45 r90 top (schematic designator TP5)
TP6A "MS-180(20)" MS-180(20) 5035.43,1610.04 r90 top (schematic designator TP6)
TP6B "MS-180(20)" MS-180(20) 2968.5,1409.45 r90 top (schematic designator TP6)
TP7A "MS-180(20)" MS-180(20) 5429.13,2796.26 r0 top (schematic designator TP7)
TP7B "MS-180(20)" MS-180(20) 1681.1,2696.85 r180 top (schematic designator TP7)
TP8A "MS-180(20)" MS-180(20) 5429.13,2674.21 r0 top (schematic designator TP8)
TP8B "MS-180(20)" MS-180(20) 1681.1,2818.9 r180 top (schematic designator TP8)
TP9A "MS-180(20)" MS-180(20) 6618.11,2369.09 r270 top (schematic designator TP9)
TP9B "MS-180(20)" MS-180(20) 681.1,2389.76 r270 top (schematic designator TP9)
TP10A "MS-180(20)" MS-180(20) 4909.45,3456.69 r90 top (schematic designator TP10)
TP10B "MS-180(20)" MS-180(20) 2842.52,3090.55 r90 top (schematic designator TP10)
U1 "ADS42LB69IRG" S-PVQFN-N64 3755.91,3779.53 r0 top
U2 "LMH6554LE" NHJ0014A 4202.76,3661.42 r180 top
U2A "LMH6554LE" NHJ0014A 4960.63,1978.15 r90 top (schematic designator U2)
U2B "LMH6554LE" NHJ0014A 2893.7,1755.91 r90 top (schematic designator U2)
U3 "LMH6554LE" NHJ0014A 3295.28,3661.42 r0 top
U4 "TPS73633DRB" S-PVSON-N8 2889.76,3925.2 r0 top
U5 "LMK04828" NKD0064A 3772.64,2204.72 r90 top
U6 "DAC3484IZAY" ZAY-BGA-196 3755.91,4385.83 r270 top
U7 "SN74AVC4T774RSVR" RSV 6212.6,4042.52 r180 top
U8 "SN74AVC4T774RSVR" RSV 6629.14,3634.74 r180 top
U9 "MT41K256M16HA -125:E" BGA96_T9_P8_9X14 4900,5610 r270 bottom
U10 "MT41K256M16HA -125:E" BGA96_T9_P8_9X14 4900,6030 r270 bottom
U11A "LMC6762" SOIC8 3799.21,-1358.27 r0 top (schematic designator U11)
U11B "LMC6762" SOIC8 -712.6,1366.14 r0 top (schematic designator U11)
U12A "HMC545A" SOT23-6 6940.94,771.65 r270 top (schematic designator U12)
U12B "HMC545A" SOT23-6 925.2,759.84 r90 top (schematic designator U12)
U13 "ADCLK944" WFQFN-16 -118.11,9212.6 r0 top
U14 "LFE5U_-85F-_BG756_" caBGA756 6338.58,5826.77 r90 top
U15 "SN74AVC4T774RSVR" RSV 6003.94,4669.29 r90 top
U16 "N25Q00AA13G1240" L-PBGA-24 6547.24,4755.91 r90 top
U17A "PE43713" QFN-PE-32 6196.85,757.87 r180 top (schematic designator U17)
U17B "PE43713" QFN-PE-32 4860.24,3125.98 r90 top (schematic designator U17)
U17C "PE43713" QFN-PE-32 1681.1,769.68 r0 top (schematic designator U17)
U17D "PE43713" QFN-PE-32 2792.91,2807.09 r90 top (schematic designator U17)
U18 "88E1512" QFN-56 1767.72,4523.62 r270 bottom
U19A "LFE5U_-85F-_BG756_" caBGA756 3956.69,5885.83 r0 top locked (schematic designator U19)
U19B "LFE5U_-85F-_BG756_" caBGA756 1098.43,5885.83 r0 top (schematic designator U19)
U19C "LFE5U_-85F-_BG756_" caBGA756 2594.49,5885.83 r0 top (schematic designator U19)
U20 "ADCLK944" WFQFN-16 3842.52,755.91 r270 top
U21 "LMX2541" NJK-WQFN-36 3755.91,1340.75 r90 top
U22 "TPS62065" DSG 12125.98,9921.26 r0 top
U23 "TPS40170" RGY-VQFN-20 1744.09,4539.37 r270 top
U24 "TPS54618" RTE-WQFN-16 4611.81,11277.95 r0 top
U25 "TPS51200" DRC 4139.37,11238.58 r0 top
U26 "TPS62065" DSG 4234.64,10740.85 r0 top
U27 "TPS62065" DSG 4431.49,10740.85 r0 top
U28 "TPS62065" DSG 4336.22,11277.95 r0 top
U29 "TPS62065" DSG 4218.11,11002.36 r0 top
U30A "XLF-151+" QFN-XLF-12 4885.83,1418.9 r270 top (schematic designator U30)
U30B "XLF-151+" QFN-XLF-12 2818.9,1212.6 r270 top (schematic designator U30)
U31A "Dot marks A1 on 1.5, 1.8, 2.4, and 4.8V versions, dot marks B1 otherwise" DSBGA-4 -2495.08,-2246.06 r180 top (schematic designator U31)
U31B "Dot marks A1 on 1.5, 1.8, 2.4, and 4.8V versions, dot marks B1 otherwise" DSBGA-4 -3329.72,-2246.06 r180 top (schematic designator U31)
U31C "Dot marks A1 on 1.5, 1.8, 2.4, and 4.8V versions, dot marks B1 otherwise" DSBGA-4 10373.03,4037.4 r0 top (schematic designator U31)
U31D "Dot marks A1 on 1.5, 1.8, 2.4, and 4.8V versions, dot marks B1 otherwise" DSBGA-4 11201.77,4037.4 r0 top (schematic designator U31)
U32A "MGA-16116" QFN-16-AVAGO 6619.09,836.61 r180 top (schematic designator U32)
U32B "MGA-16116" QFN-16-AVAGO 5784.45,836.61 r180 top (schematic designator U32)
U32C "MGA-16116" QFN-16-AVAGO 1258.86,690.94 r0 top (schematic designator U32)
U32D "MGA-16116" QFN-16-AVAGO 2087.6,690.94 r0 top (schematic designator U32)
U33A "SF2098H" SM2016-4 5349.41,783.46 r180 top (schematic designator U33)
U33B "SF2098H" SM2016-4 2523.62,744.09 r0 top (schematic designator U33)
U34A "TRF3705_RGE_24" RGE-VQFN-24 6606.3,2735.24 r180 top (schematic designator U34)
U34B "TRF3705_RGE_24" RGE-VQFN-24 669.29,2755.91 r180 top (schematic designator U34)
U35A "TRF37B32" RTV-WQFN-32 4970.47,811.42 r180 top (schematic designator U35)
U35B "TRF37B32" RTV-WQFN-32 2883.86,718.5 r0 top (schematic designator U35)
U36A "SF2098H" SM2016-4 6641.73,2183.07 r90 top (schematic designator U36)
U36B "SF2098H" SM2016-4 6783.46,1616.14 r90 top (schematic designator U36)
U36C "SF2098H" SM2016-4 704.72,2200.79 r90 top (schematic designator U36)
U36D "SF2098H" SM2016-4 846.46,1653.54 r90 top (schematic designator U36)
U37A "ALM-31122" ALM-31122 6712.6,1935.04 r270 top (schematic designator U37)
U37B "ALM-31122" ALM-31122 6854.33,1368.11 r270 top (schematic designator U37)
U37C "ALM-31122" ALM-31122 775.59,1952.76 r270 top (schematic designator U37)
U37D "ALM-31122" ALM-31122 917.32,1405.51 r270 top (schematic designator U37)
U38A "XLF-151+" QFN-XLF-12 5035.43,1418.9 r270 top (schematic designator U38)
U38B "XLF-151+" QFN-XLF-12 2968.5,1212.6 r270 top (schematic designator U38)
Y1 "OX-400" G125 2003.94,2086.61 r90 top
Y2 "VX-501" G218 3761.81,2952.76 r180 top
Y3 "XRCGB25M000F3N00R0" XRCGB 7981.07,112.5 r0 top

## Footprints (in the part's own frame and the unit in brackets; to place one, negate y for a bottom-side part, rotate by r counter-clockwise, add the part's x,y. Pads: shape width x height; smd on the part's side, far side on the other; paste and mask are expansions set on the pad)
0402 [mm] "SMD; Body 1 x 0.5 mm (LxW typ)"
  rect 0.59x0.6 smd: 1(-0.455,0) 2(0.455,0)
  body extent -0.5,-0.25 0.5,0.25, height 0.6
451_453 [mm] "Littelfuse SMD Fuse, 451 and 453 Series, 6.1x2.7mm"
  rect 1.96x3.15 smd: 1(-2.455,0) 2(2.455,0)
  silkscreen extent -1.14,-1.78 1.14,1.78, body extent -3.05,-1.35 3.05,1.35, height 2.7
0603 [mm] "SMD; Body 1.6 x 0.9 mm (LxW typ)"
  rect 0.79x0.93 smd: 1(-0.82,0) 2(0.82,0)
  body extent -0.8,-0.4 0.8,0.4, height 0.9
0805 [mm] "SMD; Body 2 x 1.2 mm (LxW typ)"
  rect 0.92x1.38 smd: 1(-0.955,0) 2(0.955,0)
  body extent -1,-0.63 1,0.63, height 1.2
0826 [mil] "Bel-Fuse Gigabit MagJack with PoE footprint"
  round 50 hole 35: 1(-200,-600) 2(-120,-600) 3(-40,-600) 4(40,-600) 5(120,-600) 6(200,-600) 7(-240,-700) 8(-160,-700) 9(-80,-700) 10(80,-700) 11(160,-700) 12(240,-700)
  round 47 hole 32: 13(-220,-320) 14(220,-320) 15(-220,-262) 16(220,-262)
  round 70 hole 45: 17(-240,-800) 18(-140,-800) 19(140,-799.21) 20(240,-800)
  round 82 hole 62: 21(-317.5,125) 22(317.5,125)
  round 137.8 hole 137.8 unplated: M1(-250,0)
  round 128 hole 128 unplated: M2(250,0)
  body extent -321,-860 321,430, height 536
1206 [mm] "SMD; Body 3.1 x 1.6 mm (LxW typ)"
  rect 1.6x1.8 smd: 1(-1.4,0) 2(1.4,0)
  body extent -1.63,-0.79 1.57,0.81, height 1
1210 [mm] "SMD; Body 3.2 x 2.5 mm (LxW typ)"
  rect 1.6x2.7 smd: 1(-1.4,0) 2(1.4,0)
  body extent -1.6,-1.27 1.6,1.23, height 1.5
132136 [mm] "SMA R/A Connector"
  round 2.1 hole 1.5: 1(0,0)
  round 2.4 hole 1.7: 2(2.54,-2.54) 3(2.54,2.54) 4(-2.54,2.54) 5(-2.54,-2.54)
  silkscreen extent -11.6,-4 4,4
ALM-31122 [mm] "ALM-31122 Power Amplifier Package"
  rect 0.7x0.6 smd: 1(-2.55,2.1) 6(-2.55,-2.1) 12(2.55,-2.1) 17(2.55,2.1)
  rect 0.5x0.5 smd: 2(-2.65,1.2) 3(-2.65,0.4) 4(-2.65,-0.4) 5(-2.65,-1.2) 7(-1.6,-2.15) 8(-0.8,-2.15) 9(0,-2.15) 10(0.8,-2.15) 11(1.6,-2.15) 13(2.65,-1.2) 14(2.65,-0.4) 15(2.65,0.4) 16(2.65,1.2) 18(1.6,2.15) 19(0.8,2.15) 20(0,2.15) 21(-0.8,2.15) 22(-1.6,2.15)
  rrect5% 4.2x3.1 smd: 23(0,0)
  rect 5.8x1.3 smd: 24(0,0)
  rect 0.5x4.8 smd: 25(-1.6,0) 25(0,0) 26(1.6,0)
  silkscreen extent -3.7,-2.6 3.1,2.6, body extent -2.9,-2.4 2.9,2.4, height 1
ASPI-0310FS [mm] "Ultra low profile shielded SMD chip power inductor"
  rect 0.8x2 smd: 1(-0.85,0) 2(0.85,0)
  silkscreen extent -1.7,-1.7 1.7,1.7, body extent -1.5,-1.5 1.5,1.5, height 1
AT224-1A [mm] "Surface Mount RF Transformer"
  rect 0.76x1.65 smd: 1(-1.27,1.59) 2(0,1.59) 3(1.27,1.59) 4(1.27,-1.59) 6(-1.27,-1.59)
  silkscreen extent -2.16,-2.29 2.16,3.05, body extent -1.9,-1.9 1.9,1.9, height 4.06